# Altium PCB multiplexor checkpoint2.PcbDoc (part 2 of 2)
Units mil, origin at the board's own origin, x right, y up, seen from the top; angles counter-clockwise.
Board outline 12350 x 17300 mil, 4 copper layers (Top Layer, Middle 1, Middle 2, Bottom Layer), stack 61.824 mil thick; 181 components, 213 nets, 910 pads, 182 vias.
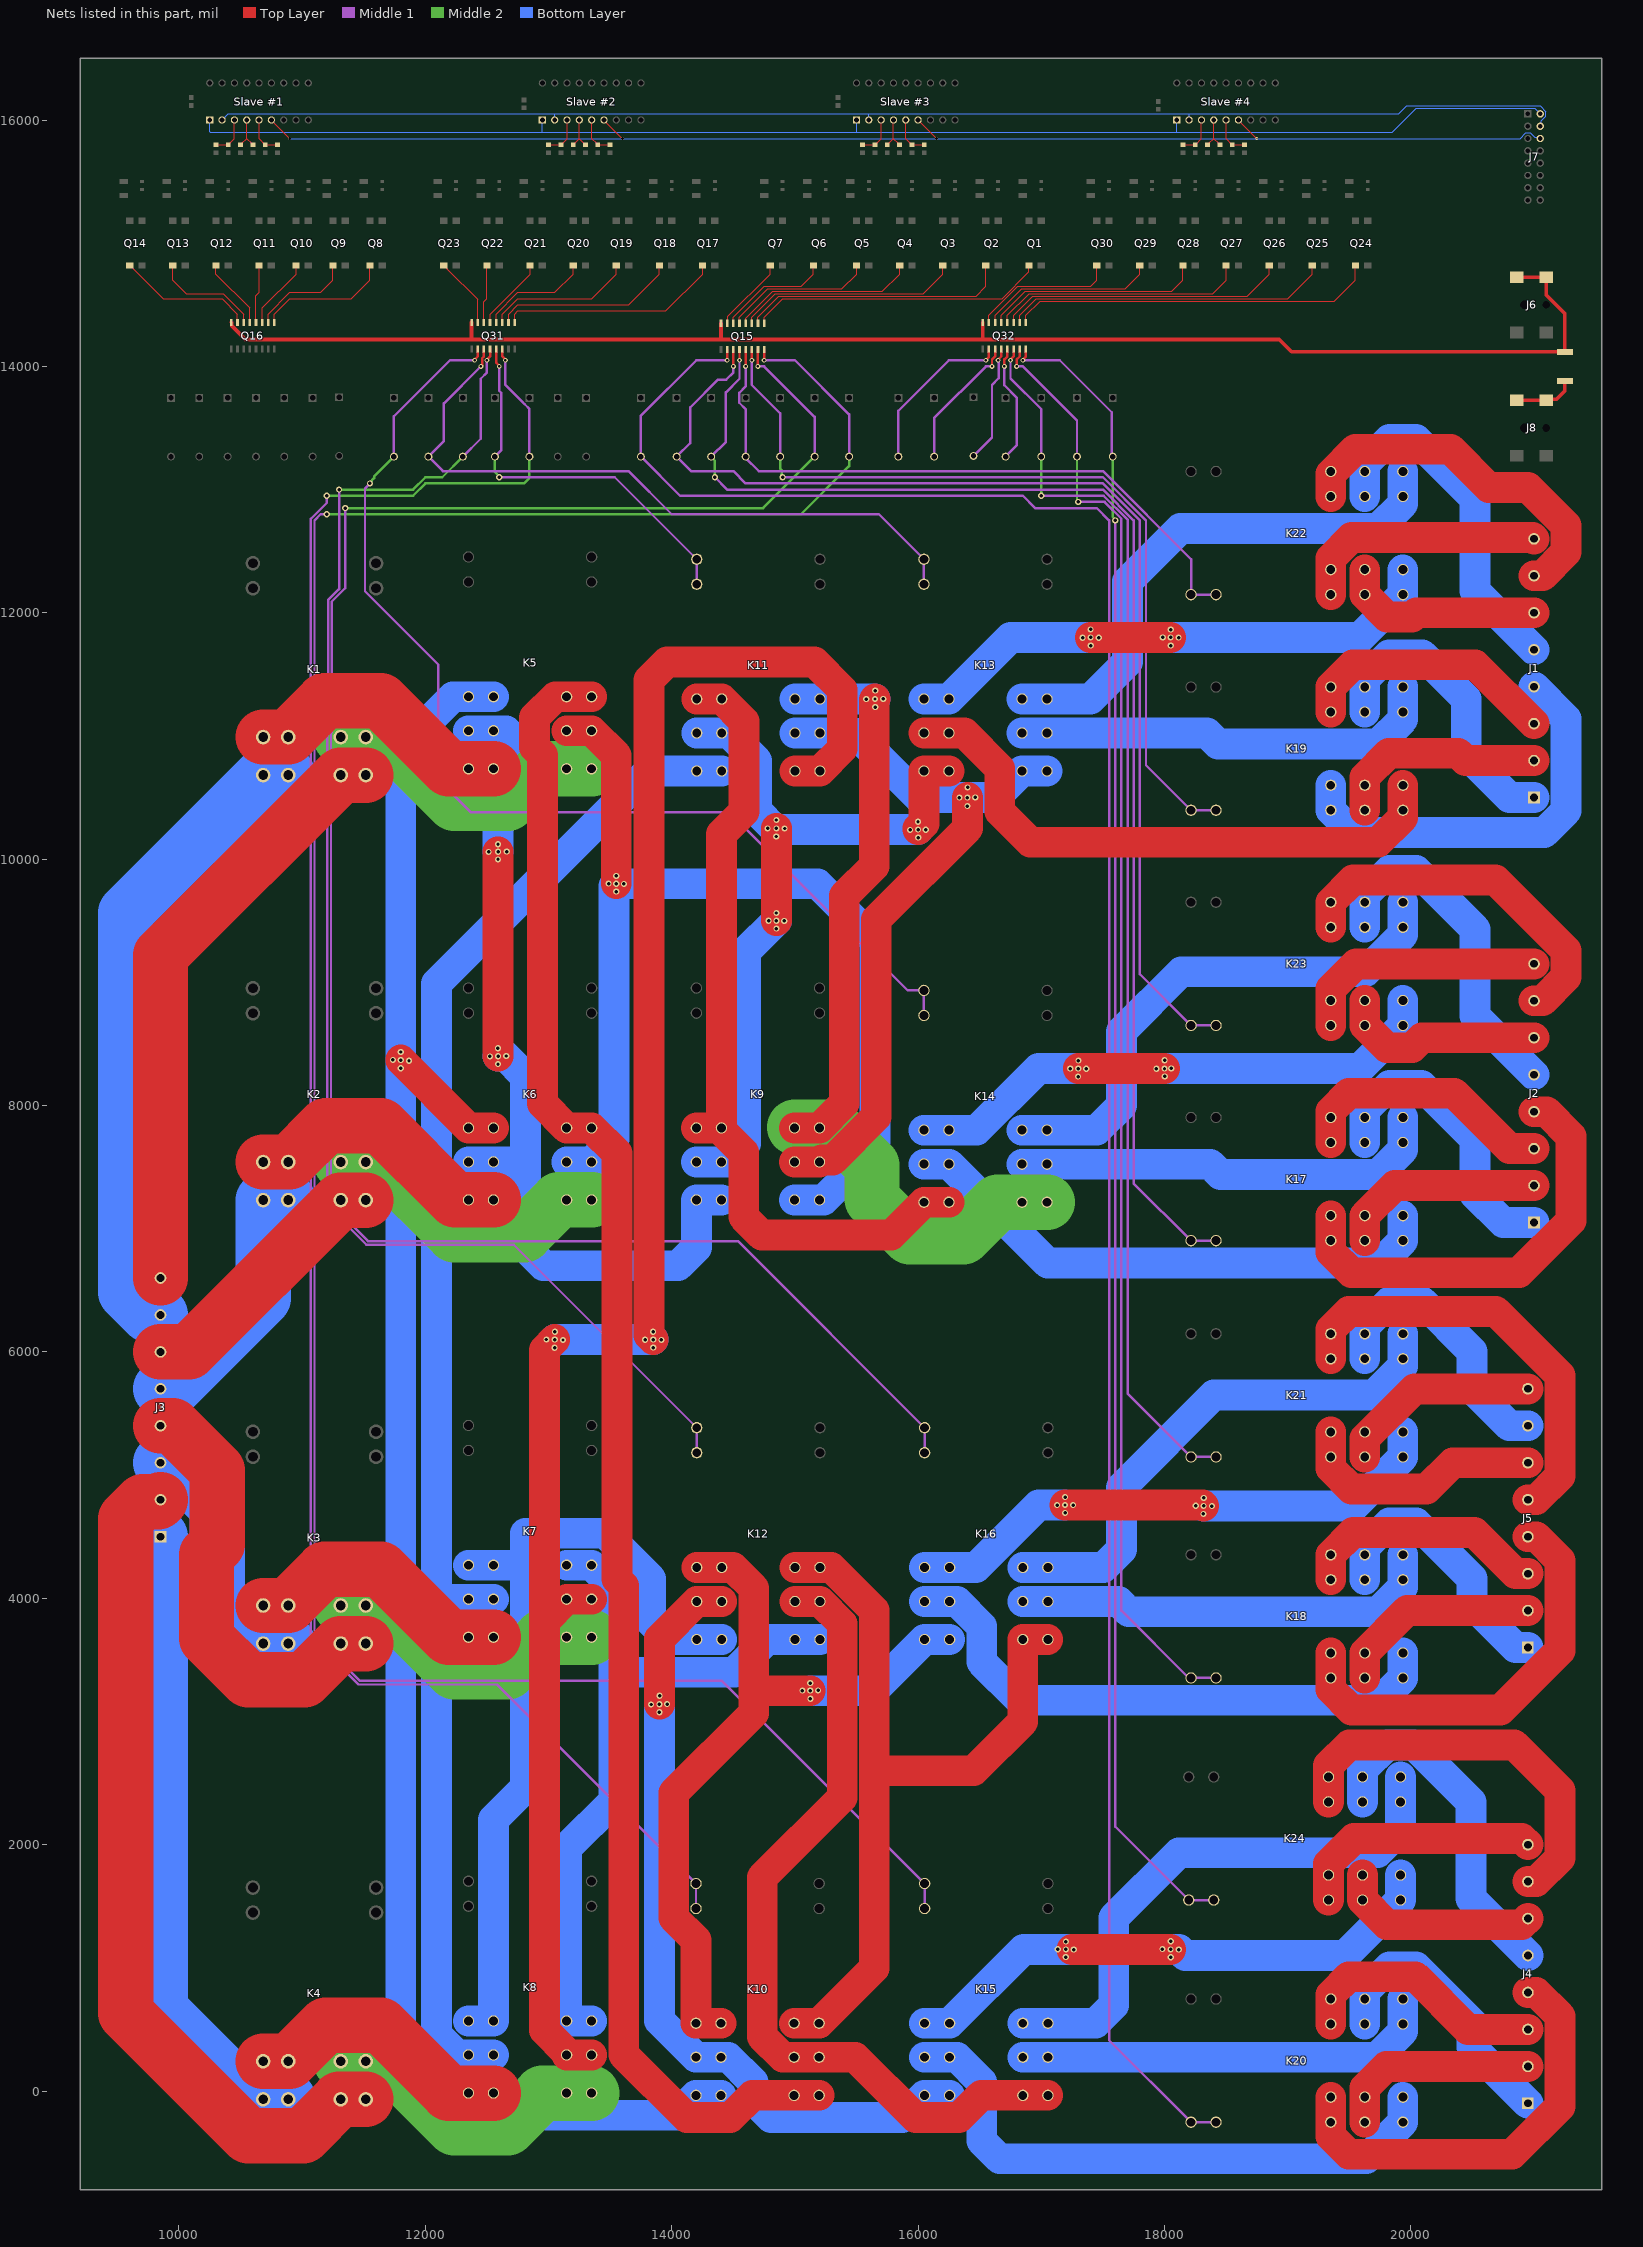
[diagram p4: the nets of this part, all layers, seen from the top]

## Via types
v1: diameter 50, hole 28, Top Layer to Bottom Layer, 122 vias
v2: diameter 22, hole 22, Top Layer to Bottom Layer, 31 vias
v3: diameter 40, hole 20, Top Layer to Bottom Layer, 28 vias
v4: diameter 22, hole 10, Top Layer to Bottom Layer, 1 vias

## Nets (pads, with @x,y where several pads share a name; then routed paths per layer and width w, separated by ;. In a path a pad name is that pad's centre, name@x,y a point inside that pad or via, vN(x,y) a via of type N, cw(c..) or ccw(c..) an arc to the next point about the centre after c; other vN are vias at no path point) (continued)
NetCR10_2: CR10.2 K10.1 K10.2 Q31.14 | length 16321.3
  Top Layer w20: Q31.14@12625,14142.75 12625,14080.41 12650,14055.41 v3(12650,14050)
  Middle 1 w20: v1(11200,12950) 11200,12892.43 11070,12762.43 11070,3687.57 11457.57,3300 12581.5,3300 K10.1@14197,1684.5 K10.2@14197,1481.5 ; v3(12650,14050) 12650,13850 12793,13707 12793,13704.72 12804.72,13693 12807,13693 12845,13655 CR10.2@12845,13268
  Middle 2 w20: v1(11200,12950) 11900,12950 12000,13050 12800,13050 12845,13095 CR10.2@12845,13268
NetCR11_2: CR11.2 K11.1 K11.2 Q31.13 | length 3177.8
  Top Layer w20: Q31.13@12575,14142.75 12575,14030.41 12600,14005.41 v3(12600,14000)
  Middle 1 w20: CR11.2@12565,13268 12617,13320 12617,13785.28 12600,13802.28 v3(12600,14000) ; v1(12600,13100) 13537.5,13100 K11.1@14203,12434.5 K11.2@14203,12231.5
  Middle 2 w20: CR11.2@12565,13268 12565,13142.78 12600,13107.78 v1(12600,13100)
NetCR12_2: CR12.2 K12.1 K12.2 Q31.12 | length 11883
  Top Layer w20: v3(12500,14050) 12500,14055.41 12525,14080.41 Q31.12@12525,14142.75
  Middle 1 w20: v1(11300,13000) 11300,12192.43 11210,12102.43 11210,11042.43 11204.15,11036.58 11204.15,7187.04 11521.19,6870 12717.5,6870 K12.1@14203,5384.5 K12.2@14203,5181.5 ; CR12.2@12305,13268 12450,13413 12450,13900 12500,13950 v3(12500,14050)
  Middle 2 w20: v1(11300,13000) 11900,13000 12000,13100 12137,13100 CR12.2@12305,13268
NetCR13_2: CR13.2 K13.1 K13.2 Q31.11 | length 5631.4
  Top Layer w20: v3(12450,14000) 12450,14000.54 12460,14010.54 12460,14066.57 12475,14081.57 Q31.11@12475,14142.75
  Middle 1 w20: v3(12450,14000) 12150,13700 12150,13393 CR13.2@12025,13268 12143,13150 13650,13150 14000,12800 15681.5,12800 K13.1@16047,12434.5 K13.2@16047,12231.5
NetCR14_2: CR14.2 K14.1 K14.2 Q31.10 | length 9093.9
  Top Layer w20: v3(12400,14050) 12400,14055.41 12425,14080.41 Q31.10@12425,14142.75
  Middle 1 w20: v1(11550,13050) 11510,13010 11510,12174.85 12105,11579.85 12105,10645 12370,10380 14470,10380 15915.5,8934.5 K14.1@16047,8934.5 K14.2@16047,8731.5 ; CR14.2@11745,13268 11745,13595 12200,14050 v3(12400,14050)
  Middle 2 w20: v1(11550,13050) 11550,13058.12 11584.46,13092.58 11584.46,13107.46 CR14.2@11745,13268
NetCR15_2: CR15.2 K15.1 K15.2 Q15.16 | length 20940.9
  Top Layer w20: v3(14750,14050) Q15.16@14750,14135.5
  Middle 1 w20: v1(11200,12800) 11150,12800 11100,12750 11100,3700 11470,3330 14407.5,3330 K15.1@16053,1684.5 K15.2@16053,1481.5 ; v3(14750,14050) 15000,14050 15440,13610 CR15.2@15440,13268
  Middle 2 w20: v1(11200,12800) 15050,12800 15440,13190 CR15.2@15440,13268
NetCR16_2: CR16.2 K16.1 K16.2 Q15.15 | length 16542.6
  Top Layer w20: v3(14700,14000) Q15.15@14700,14135.5
  Middle 1 w20: v1(11350,12850) 11350,12200 11240,12090 11240,11030 11234.15,11024.16 11234.15,7199.46 11533.62,6900 14537.5,6900 K16.1@16053,5384.5 K16.2@16053,5181.5 ; v3(14700,14000) 14750,14000 15160,13590 CR16.2@15160,13268
  Middle 2 w20: v1(11350,12850) 14742,12850 CR16.2@15160,13268
NetCR17_2: CR17.2 K19.1 K19.2 Q15.14 | length 6941.4
  Top Layer w20: v3(14650,14050) Q15.14@14650,14135.5
  Middle 1 w20: v3(14650,14050) 14650,13850 14880,13620 CR17.2@14880,13268 ; v1(14900,13100) 17500,13100 17850,12750 17850,10762.5 K19.1@18215.5,10397 K19.2@18418.5,10397
  Middle 2 w20: CR17.2@14880,13268 14880,13170 14895,13155 14895,13105 v1(14900,13100)
NetCR18_2: CR18.2 K22.1 K22.2 Q15.13 | length 5368.8
  Top Layer w20: v3(14600,14000) Q15.13@14600,14135.5
  Middle 1 w20: v3(14600,14000) 14600,13837.28 14548,13785.28 14548,13704.72 14600,13652.72 14600,13256.09 14706.09,13150 17500,13150 18215.5,12434.5 K22.1@18215.5,12147 K22.2@18418.5,12147
NetCR19_2: CR19.2 K17.1 K17.2 Q15.12 | length 10931
  Top Layer w20: v3(14550,14050) Q15.12@14550,14135.5
  Middle 1 w20: CR19.2@14320,13268 14439.02,13387.02 14439.02,13789.02 14550,13900 v3(14550,14050) ; v1(14350,13100) 14450,13000 17500,13000 17750,12750 17750,7368.5 K17.1@18215.5,6903 K17.2@18418.5,6903
  Middle 2 w20: CR19.2@14320,13268 14320,13264.28 14350,13234.28 v1(14350,13100)
NetCR20_2: CR20.2 K23.1 K23.2 Q15.11 | length 9547.1
  Top Layer w20: v3(14500,14000) Q15.11@14500,14135.5
  Middle 1 w20: v3(14500,14000) 14500,13950 14442.45,13892.45 14375.17,13892.45 14150,13667.28 14150,13378 CR20.2@14040,13268 14158,13150 14500,13150 14600,13050 17500,13050 17800,12750 17800,9065.5 K23.1@18215.5,8650 K23.2@18418.5,8650
NetCR21_2: CR21.2 K20.1 K20.2 Q15.10 | length 18800.1
  Top Layer w20: v3(14450,14050) Q15.10@14450,14135.5
  Middle 1 w20: v3(14450,14050) 14200,14050 13750,13600 CR21.2@13750,13268 14068,12950 16850,12950 16950,12850 17450,12850 17550,12750 17550,412.5 K20.1@18215.5,-253 K20.2@18418.5,-253
NetCR22_2: CR22.2 K24.1 K24.2 Q32.16 | length 13539.8
  Top Layer w20: v3(16850,14050) 16850,14055.41 16875,14080.41 Q32.16@16875,14142.75
  Middle 1 w20: v3(16850,14050) 17150,14050 17572.25,13627.75 17572.25,13275.75 CR22.2@17580,13268 ; v1(17600,12750) 17600,2147 K24.1@18197,1550 K24.2@18400,1550
  Middle 2 w20: CR22.2@17580,13268 17580,12778.12 17600,12758.12 v1(17600,12750)
NetCR23_2: CR23.2 K18.1 K18.2 Q32.15 | length 11754.7
  Top Layer w20: v3(16800,14000) 16800,14056.57 16825,14081.57 Q32.15@16825,14142.75
  Middle 1 w20: v3(16800,14000) 16850,14000 17290,13560 CR23.2@17290,13268 ; v1(17300,12900) 17513.64,12900 17650,12763.64 17650,3900 18197,3353 K18.1@18215.5,3353 K18.2@18418.5,3353
  Middle 2 w20: CR23.2@17290,13268 17290,12918.12 17300,12908.12 v1(17300,12900)
NetCR24_2: CR24.2 K21.1 K21.2 Q32.14 | length 10112.6
  Top Layer w20: v3(16750,14050) 16750,14055.41 16775,14080.41 Q32.14@16775,14142.75
  Middle 1 w20: v3(16750,14050) 16750,13902.72 17000,13652.72 CR24.2@17000,13268 ; v1(17000,12950) 17506.07,12950 17700,12756.07 17700,5662.5 K21.1@18215.5,5147 K21.2@18418.5,5147
  Middle 2 w20: v1(17000,12950) CR24.2@17000,13268
NetCR25_2: CR25.2 Q32.13 | length 963.8
  Top Layer w20: v3(16700,14000) 16700,14056.57 16725,14081.57 Q32.13@16725,14142.75
  Middle 1 w20: v3(16700,14000) 16700,13847.28 16800,13747.28 16800,13358 CR25.2@16710,13268
NetCR26_2: CR26.2 Q32.12 | length 966.1
  Top Layer w20: v3(16650,14050) 16650,14055.41 16675,14080.41 Q32.12@16675,14142.75
  Middle 1 w20: CR26.2@16450,13273 16600,13423 16600,13850 16653.83,13903.83 16653.83,14046.17 v3(16650,14050)
NetCR27_2: CR27.2 Q32.11 | length 1109.1
  Top Layer w20: v3(16600,14000) 16600,14056.57 16625,14081.57 Q32.11@16625,14142.75
  Middle 1 w20: CR27.2@16130,13268 16130,13580 16550,14000 v3(16600,14000)
NetCR28_2: CR28.2 Q32.10 | length 1354.9
  Top Layer w20: v3(16550,14050) 16550,14052.21 16575,14077.21 Q32.10@16575,14142.75
  Middle 1 w20: CR28.2@15840,13268 15840,13640 16250,14050 v3(16550,14050)
NetJ1_1: J1.1 K19.11 K19.12 | length 2465.4
  Bottom Layer w250: K19.12@19626,11194 19626,11461.55 19821.45,11657 20093,11657 20450,11300 20450,10850 20800,10500 J1.1@21000,10500
NetJ1_2: J1.2 K19.5 K19.6 | length 1747.4
  Top Layer w250: K19.5@19626,10397 19626,10664.55 19821.45,10860 20383.65,10860 20443.65,10800 J1.2@21000,10800
NetJ1_3: J1.3 K19.13 K19.14 | length 2126
  Top Layer w250: K19.14@19350,11194 K19.13@19350,11397 19531,11578 20522,11578 J1.3@21000,11100
NetJ1_4: J1.4 K19.3 K19.4 | length 3376.4
  Bottom Layer w250: K19.4@19350,10600 K19.3@19350,10397 19531,10216 21083.7,10216 21260,10392.3 21260,11140 J1.4@21000,11400
NetJ1_5: J1.5 K22.11 K22.12 | length 2865.3
  Bottom Layer w250: K22.12@19626,12944 K22.11@19626,13147 19626,13205.7 19827.3,13407 20042.7,13407 20521.35,12928.35 20521.35,12178.65 J1.5@21000,11700
NetJ1_6: J1.6 K22.5 K22.6 | length 1666.1
  Top Layer w250: K22.6@19626,12350 K22.5@19626,12147 19807,11966 20009.97,11966 20043.97,12000 J1.6@21000,12000
NetJ1_7: J1.7 K22.13 K22.14 | length 2988.2
  Top Layer w250: K22.14@19350,12944 19350,13126.97 19551.03,13328 20322,13328 20632.15,13017.85 20949.85,13017.85 21260,12707.7 21260,12492.3 21067.7,12300 J1.7@21000,12300
NetJ1_8: J1.8 K22.3 K22.4 | length 2018.6
  Top Layer w250: K22.3@19350,12147 19350,12441.7 19518.3,12610 20990,12610 J1.8@21000,12600
NetJ2_1: J2.1 K17.11 K17.12 | length 2443.7
  Bottom Layer w250: K17.12@19626,7700 19626,7961.7 19827.3,8163 20087,8163 20521.35,7728.65 20521.35,7278.65 20750,7050 J2.1@21000,7050
NetJ2_2: J2.2 K17.5 K17.6 | length 1678.1
  Top Layer w250: K17.5@19626,6903 K17.6@19626,7106 19870,7350 J2.2@21000,7350
NetJ2_3: J2.3 K17.13 K17.14 | length 2150.6
  Top Layer w250: K17.14@19350,7700 19350,7953.55 19496.45,8100 20350,8100 20800,7650 J2.3@21000,7650
NetJ2_4: J2.4 K17.3 K17.4 | length 3557.3
  Top Layer w250: K17.4@19350,7106 19350,6811.3 19518.3,6643 20878.41,6643 21300,7064.59 21300,7750 21100,7950 J2.4@21000,7950
NetJ2_5: J2.5 K23.11 K23.12 | length 2818.3
  Bottom Layer w250: K23.12@19626,9447 K23.11@19626,9650 19626,9708.7 19827.3,9910 20042.7,9910 20521.35,9431.35 20521.35,8728.65 J2.5@21000,8250
NetJ2_6: J2.6 K23.5 K23.6 | length 1685.5
  Top Layer w250: K23.6@19626,8853 K23.5@19626,8650 19807,8469 20009.97,8469 20090.97,8550 J2.6@21000,8550
NetJ2_7: J2.7 K23.13 K23.14 | length 2980.5
  Top Layer w250: K23.14@19350,9447 K23.13@19350,9650 19531,9831 20686.7,9831 21260,9257.7 21260,9042.3 21067.7,8850 J2.7@21000,8850
NetJ2_8: J2.8 K23.3 K23.4 | length 2029.7
  Top Layer w250: K23.3@19350,8650 19350,8944.7 19555.3,9150 J2.8@21000,9150
NetJ3_1: J3.1 K4.6_1 K4.6_2 | length 5178.8
  Bottom Layer w450: J3.1@9850,4500 9850,658.7 10576.41,-67.72 K4.6_1@10683.46,-67.72 K4.6_2@10886.61,-67.72
NetJ3_2: J3.2 K4.2_1 K4.2_2 | length 6841.6
  Top Layer w450: J3.2@9850,4800 9832.24,4782.24 9705.42,4782.24 9567.76,4644.58 9567.76,631.88 10561.59,-361.95 11008.49,-361.95 11302.72,-67.72 K4.2_1@11313.39,-67.72 K4.2_2@11516.54,-67.72
NetJ3_3: J3.3 K3.6_1 K3.6_2 | length 2136.9
  Bottom Layer w450: J3.3@9850,5100 9949.15,5100 10310,4739.15 10310,3898.7 10576.41,3632.28 K3.6_2@10886.61,3632.28
NetJ3_4: J3.4 K3.2_1 K3.2_2 | length 3563.3
  Top Layer w450: J3.4@9850,5400 9949.15,5400 10310,5039.15 10310,4438.24 10223.46,4351.71 10223.46,3676.18 10561.59,3338.05 11019.15,3338.05 K3.2_1@11313.39,3632.28 K3.2_2@11516.54,3632.28
NetJ3_5: J3.5 K2.6_1 K2.6_2 | length 2138.7
  Bottom Layer w450: J3.5@9850,5700 9949.15,5700 10683.46,6434.31 K2.6_1@10683.46,7232.28 K2.6_2@10886.61,7232.28
NetJ3_6: J3.6 K2.2_1 K2.2_2 | length 2177
  Top Layer w450: J3.6@9850,6000 10081.1,6000 K2.2_1@11313.39,7232.28 K2.2_2@11516.54,7232.28
NetJ3_7: J3.7 K1.6_1 K1.6_2 | length 5222.6
  Bottom Layer w450: J3.7@9850,6300 9750.85,6300 9567.76,6483.09 9567.76,9566.57 K1.6_1@10683.46,10682.28 K1.6_2@10886.61,10682.28
NetJ3_8: J3.8 K1.2_1 K1.2_2 | length 4891.6
  Top Layer w450: J3.8@9850,6600 9850,9218.9 K1.2_1@11313.39,10682.28 K1.2_2@11516.54,10682.28
NetJ4_1: J4.1 K20.11 K20.12 | length 2244.6
  Bottom Layer w250: K20.12@19626,544 19626,805.7 19827.3,1007 20042.7,1007 20496.35,553.35 20496.35,353.65 J4.1@20950,-100
NetJ4_2: J4.2 K20.5 K20.6 | length 1675.1
  Top Layer w250: K20.5@19626,-253 19626,26 19800,200 J4.2@20950,200
NetJ4_3: J4.3 K20.13 K20.14 | length 2075.5
  Top Layer w250: K20.14@19350,544 19350,781.55 19496.45,928 20036.51,928 20464.51,500 J4.3@20950,500
NetJ4_4: J4.4 K20.3 K20.4 | length 3470.5
  Top Layer w250: K20.4@19350,-50 19350,-366.55 19496.45,-513 20822.41,-513 21210,-125.41 21210,607.7 21017.7,800 J4.4@20950,800
NetJ4_5: J4.5 K24.11 K24.12 | length 2855.3
  Bottom Layer w250: K24.12@19607.5,2347 19607.5,2608.7 19808.8,2810 20024.2,2810 20487.1,2347.1 20487.1,1562.9 J4.5@20950,1100
NetJ4_6: J4.6 K24.5 K24.6 | length 1649.1
  Top Layer w250: K24.6@19607.5,1753 K24.5@19607.5,1550 19807.5,1350 20900,1350 J4.6@20950,1400
NetJ4_7: J4.7 K24.13 K24.14 | length 3283.5
  Top Layer w250: K24.14@19331.5,2347 19331.5,2458.51 K24.13@19331.5,2550 19331.5,2641.7 19499.8,2810 20840,2810 21210,2440 21210,1892.3 21017.7,1700 J4.7@20950,1700
NetJ4_8: J4.8 K24.3 K24.4 | length 2018.9
  Top Layer w250: K24.3@19331.5,1550 19331.5,1844.7 19536.8,2050 20900,2050 J4.8@20950,2000
NetJ5_1: J5.1 K18.11 K18.12 | length 2209.2
  Bottom Layer w250: K18.12@19626,4150 19626,4411.7 19827.3,4613 20042.7,4613 20496.35,4159.35 20496.35,3953.65 20850,3600 J5.1@20950,3600
NetJ5_2: J5.2 K18.5 K18.6 | length 1669.5
  Top Layer w250: K18.5@19626,3353 K18.6@19626,3556 19970,3900 J5.2@20950,3900
NetJ5_3: J5.3 K18.13 K18.14 | length 2016.3
  Top Layer w250: K18.14@19350,4150 K18.13@19350,4353 19531,4534 20516,4534 20850,4200 J5.3@20950,4200
NetJ5_4: J5.4 K18.3 K18.4 | length 3496.6
  Top Layer w250: K18.4@19350,3556 K18.3@19350,3353 19350,3261.3 19518.3,3093 20728.41,3093 21210,3574.59 21210,4307.7 21017.7,4500 J5.4@20950,4500
NetJ5_5: J5.5 K21.13 K21.14 | length 3528.8
  Top Layer w250: K21.14@19350,5944 19350,6181.55 19496.45,6328 20689.7,6328 21210,5807.7 21210,4992.3 21017.7,4800 J5.5@20950,4800
NetJ5_6: J5.6 K21.3 K21.4 | length 2052.6
  Top Layer w250: K21.4@19350,5350 K21.3@19350,5147 19350,5055.3 19518.3,4887 20127.65,4887 20340.65,5100 J5.6@20950,5100
NetJ5_7: J5.7 K21.11 K21.12 | length 2261.9
  Bottom Layer w250: K21.12@19626,5944 19626,6205.7 19827.3,6407 20093,6407 20496.35,6003.65 20496.35,5703.65 20800,5400 J5.7@20950,5400
NetJ5_8: J5.8 K21.5 K21.6 | length 1640.9
  Top Layer w250: K21.5@19626,5147 19626,5296.97 20029.03,5700 J5.8@20950,5700
NetJ8_2: J8.2 J8.3 R16.2 | length 503.5
  Top Layer w30: J8.3@20859.84,13724.41 J8.2@21100,13724.41 21108.14,13732.54 21182.54,13732.54 21250,13800 R16.2@21250,13882
NetK1_4_1: K1.4_1 K1.4_2 K5.9 K5.10 | length 2376.2
  Middle 2 w450: K1.4_1@11313.39,10991.34 11694.77,10991.34 12233.61,10452.5 12669.39,10452.5 12950.39,10733.5 K5.9@13350,10733.5
NetK1_8_1: K1.8_1 K1.8_2 K5.7 K5.8 | length 2220.1
  Top Layer w450: K1.8_1@10683.46,10991.34 K1.8_2@10886.61,10991.34 11180.85,11285.57 11638.41,11285.57 12190.48,10733.5 K5.7@12350,10733.5 K5.8@12553,10733.5
NetK2_4_1: K2.4_1 K2.4_2 K6.9 K6.10 | length 2396.9
  Middle 2 w450: K2.4_1@11313.39,7541.34 K2.4_2@11516.54,7541.34 11531.36,7526.52 11659.59,7526.52 12233.61,6952.5 12802.5,6952.5 13083.5,7233.5 K6.9@13350,7233.5
NetK2_8_1: K2.8_1 K2.8_2 K6.7 K6.8 | length 2240.8
  Top Layer w450: K2.8_1@10683.46,7541.34 K2.8_2@10886.61,7541.34 10897.28,7541.34 11191.51,7835.57 11638.41,7835.57 12240.48,7233.5 K6.7@12350,7233.5 K6.8@12553,7233.5
NetK3_4_1: K3.4_1 K3.4_2 K7.9 K7.10 | length 2376.2
  Middle 2 w450: K3.4_1@11313.39,3941.34 K3.4_2@11516.54,3941.34 11531.36,3926.52 11709.59,3926.52 12233.61,3402.5 12669.39,3402.5 12950.39,3683.5 K7.10@13147,3683.5 K7.9@13350,3683.5
NetK3_8_1: K3.8_1 K3.8_2 K7.7 K7.8 | length 2220.1
  Top Layer w450: K3.8_1@10683.46,3941.34 K3.8_2@10886.61,3941.34 11180.85,4235.57 11638.41,4235.57 12190.48,3683.5 K7.7@12350,3683.5 K7.8@12553,3683.5
NetK4_4_1: K4.4_1 K4.4_2 K8.9 K8.10 | length 2376.2
  Middle 2 w450: K4.4_1@11313.39,241.34 K4.4_2@11516.54,241.34 11531.36,226.52 11709.59,226.52 12233.61,-297.5 12669.39,-297.5 12950.39,-16.5 K8.10@13147,-16.5 K8.9@13350,-16.5
NetK4_8_1: K4.8_1 K4.8_2 K8.7 K8.8 | length 2220.1
  Top Layer w450: K4.8_1@10683.46,241.34 K4.8_2@10886.61,241.34 10897.28,241.34 11191.51,535.57 11638.41,535.57 12190.48,-16.5 K8.7@12350,-16.5 K8.8@12553,-16.5
NetK5_3: K5.3 K5.4 K6.3 K6.4 K10.7 K10.8 | length 15390.6
  Top Layer w250: v1(11800,8368.5) K6.3@12350,7818.5 K6.4@12553,7818.5
  Bottom Layer w250: K5.4@12553,11318.5 12223.75,11318.5 11800,10894.75 11800,277.53 12275.03,-197.5 14034.5,-197.5 K10.7@14197,-35 K10.8@14400,-35
  other v1: 11800.54,8302.71 11867.28,8364.08 11736.11,8370.22 11799.78,8434.65
NetK5_5: K5.5 K5.6 K6.5 K6.6 K9.7 K9.8 | length 7359.1
  Top Layer w250: v1(12590,8400) v1(12590,10060)
  Bottom Layer w250: K6.5@12350,7542.5 K6.6@12553,7542.5 12757.5,7542.5 12813,7487 ; K5.5@12350,11042.5 12653.55,11042.5 12800,10896.05 12800,10612.78 12590,10402.78 v1(12590,10060) ; v1(12590,8400) 12650,8400 12813,8237 12813,7487 ; K9.8@14403,7233.5 K9.7@14200,7233.5 14200,6846.45 14053.55,6700 12959.45,6700 12813,6846.45 12813,7487
  other v1: 12589.68,8336.02 12524.42,8398.2 12656.79,8401.89 12589.06,8465.31 12589.62,9998.14 12513.18,10058.96 12660.31,10061.43 12589.62,10120.61
NetK5_11: K5.11 K5.12 K6.11 K6.12 K9.9 K9.10 | length 8874.6
  Top Layer w250: K5.12@13147,11042.5 K5.11@13350,11042.5 13550,10842.5 v1(13550,9800)
  Bottom Layer w250: K6.12@13147,7542.5 K6.11@13350,7542.5 13531,7723.5 13531,9781 v1(13550,9800) 15184.55,9800 15650,9334.55 15650,7650 15233.5,7233.5 K9.9@15200,7233.5 K9.10@14997,7233.5
  other v1: 13549.1,9737.12 13611.57,9798.73 13487.48,9801.27 13549.95,9863.73
NetK5_13: K5.13 K5.14 K6.13 K6.14 K10.9 K10.10 | length 13679.3
  Top Layer w250: K5.13@13350,11318.5 13055.3,11318.5 12887,11150.2 12887,10908.62 12950,10845.62 12950,8015.5 K6.14@13147,7818.5 K6.13@13350,7818.5 13554.87,7613.63 13554.87,4155.33 13610,4100.2 13610,296.03 14122.03,-216 14474.97,-216 14655.97,-35 K10.10@14994,-35 K10.9@15197,-35
NetK7_3: K7.3 K7.4 K8.3 K8.4 K12.7 K12.8 | length 6893.8
  Bottom Layer w250: K8.3@12350,568.5 K8.4@12553,568.5 12553,2204.35 12813,2464.35 12813,4250 ; K7.3@12350,4268.5 K7.4@12553,4268.5 12794.5,4268.5 12813,4250 ; K12.8@14406,3665 13976.79,3665 13830.35,3811.45 13830.35,4155.85 13457.7,4528.5 12813,4528.5 12813,4250
NetK7_5: K7.5 K7.6 K8.5 K8.6 K11.7 K11.8 | length 12487.9
  Bottom Layer w250: 12157.5,3992.5 K7.5@12350,3992.5 K7.6@12553,3992.5 ; K8.6@12553,292.5 K8.5@12350,292.5 12258.3,292.5 12090,460.8 12090,3992.5 12090,8990 13815,10715 K11.8@14406,10715
NetK7_11: K7.11 K7.12 K8.11 K8.12 K11.9 K11.10 | length 15408.3
  Top Layer w250: v1(13050,6100) 12966,6016 12966,3811.5 ; K8.11@13350,292.5 K8.12@13147,292.5 13147,312.53 12966,493.53 12966,3811.5 ; K7.11@13350,3992.5 K7.12@13147,3992.5 12966,3811.5 ; v1(13850,6100) 13814.87,6135.13 13814.87,11453.55 13961.32,11600 15158.97,11600 15384,11374.97 15384,10896 K11.9@15203,10715 K11.10@15000,10715
  Bottom Layer w250: v1(13050,6100) v1(13850,6100)
  other v1: 13049.29,6034.14 13850.17,6034.51 13117.57,6096.5 13916.27,6097 13783.48,6098.2 12982.1,6100.8 13848.37,6163.1 13051.98,6163.7
NetK7_13: K7.13 K7.14 K8.13 K8.14 K12.9 K12.10 | length 6121.8
  Bottom Layer w250: K7.14@13147,4268.5 K7.13@13350,4268.5 13531,4087.5 13531,3400 ; K8.13@13350,568.5 K8.14@13147,568.5 13147,1971.49 13531,2355.49 13531,3400 ; K12.9@15203,3665 K12.10@15000,3665 14773.7,3665 14508.7,3400 13531,3400
NetK9_3: K9.3 K9.4 K11.3 K11.4 K14.7 K14.8 | length 6672.1
  Top Layer w250: K9.3@14200,7818.5 K9.4@14403,7818.5 ; K11.3@14203,11300 K11.4@14406,11300 14587,11119 14587,10387 14403,10203 K9.4@14403,7818.5 ; K14.8@16250,7215 K14.7@16047,7215 15782,6950 14730.45,6950 14584,7096.45 14584,7467.53 14584,7617.47 14403,7798.47 K9.4@14403,7818.5
NetK9_5: K9.5 K9.6 K11.5 K11.6 K13.7 K13.8 | length 6193.6
  Top Layer w250: v1(14850,9500) v1(14850,10250) ; v1@16000,10250 15999.76,10249.76 v1(15999.76,10240.08) 16047,10287.31 K13.7@16047,10715 K13.8@16250,10715
  Bottom Layer w250: K9.5@14200,7542.5 14453.55,7542.5 14600,7688.95 14600,9250 v1(14850,9500) ; K11.5@14203,11024 14464.7,11024 14690.79,10797.9 14690.79,10389.36 14840.08,10240.08 v1(15999.76,10240.08)
  other v1: 14850.12,9436.72 14912.97,9498.5 14786.21,9500.09 14849.59,9562.94 16000.83,10175 14848.81,10183.68 15935.39,10237.37 16062.6,10239.21 14916.52,10248.96 14778.28,10250.01 15999,10303.42 14849.96,10317.69
NetK9_11: K9.11 K9.12 K11.11 K11.12 K13.9 K13.10 | length 6064.4
  Top Layer w250: K9.12@14997,7542.5 K9.11@15200,7542.5 15216,7558.5 15307.7,7558.5 15660,7910.8 15660,9510 16400,10250 v1(16400,10500)
  Bottom Layer w250: K11.12@15000,11024 15482.03,11024 16006.03,10500 16629,10500 K13.10@16844,10715 K13.9@17047,10715
  other v1: 16399.81,10431.13 16335.43,10499.85 16464.19,10500.72 16401.55,10582.5
NetK9_13: K9.13 K9.14 K11.13 K11.14 K14.9 K14.10 | length 7217
  Top Layer w250: K9.14@14997,7818.5 K9.13@15200,7818.5 15400,8018.5 15400,9700 15644,9944 15644,11294 v1(15650,11300)
  Middle 2 w450: K9.14@14997,7823.5 15316.39,7823.5 15626,7513.89 15626,7238.61 15930.61,6934 16366.39,6934 16647.39,7215 K14.10@16844,7215 K14.9@17047,7215
  Bottom Layer w250: K11.14@15000,11300 K11.13@15203,11300 v1(15650,11300)
  other v1: 15651.74,11233.97 15578.91,11299.27 15717.03,11300.52 15651.74,11368.33
NetK10_3: K10.3 K10.4 K12.3 K12.4 K16.7 K16.8 | length 6373.5
  Top Layer w250: K12.3@14203,4250 K12.4@14406,4250 14497.7,4250 14666,4081.7 14666,3250 ; K10.4@14400,550 K10.3@14197,550 14197,1225.53 14016,1406.53 14016,2419.11 14666,3069.11 14666,3250 ; v1(15124,3250) 14666,3250
  Bottom Layer w250: v1(15124,3250) 15638,3250 K16.7@16053,3665 K16.8@16256,3665
  other v1: 15125.19,3184.32 15061.1,3250.05 15188.45,3252.52 15124.36,3311.68
NetK10_5: K10.5 K10.6 K12.5 K12.6 K15.7 K15.8 | length 6571.8
  Top Layer w250: v1(13900,3140) 13900,3671 K12.5@14203,3974 K12.6@14406,3974
  Bottom Layer w250: v1(13900,3140) 13900,571 K10.5@14197,274 K10.6@14400,274 14458.7,274 14660,72.7 14660,-69.55 14806.45,-216 15872,-216 K15.7@16053,-35 K15.8@16256,-35
  other v1: 13900.2,3074.69 13833.1,3137.72 13962.22,3140.77 13901.22,3208.89
NetK10_11: K10.11 K10.12 K12.11 K12.12 K15.9 K15.10 | length 6745.6
  Top Layer w250: K12.12@15000,3974 K12.11@15203,3974 15384,3793 15384,2382.99 14734,1732.99 14734,442.3 14902.3,274 K10.11@15197,274 15488.03,274 15978.03,-216 16330.97,-216 16511.97,-35 K15.10@16850,-35 K15.9@17053,-35
NetK10_13: K10.13 K10.14 K12.13 K12.14 K16.9 K16.10 | length 6767.2
  Top Layer w250: K10.14@14994,550 K10.13@15197,550 15644,997 15644,2600 ; K12.14@15000,4250 K12.13@15203,4250 15294.7,4250 15644,3900.7 15644,2600 ; K16.9@17053,3665 K16.10@16850,3665 16850,3000 16450,2600 15644,2600
NetK13_3: K13.3 K13.4 K22.7 K22.8 | length 4441.8
  Top Layer w250: v1(17400,11800) v1(18050,11800)
  Bottom Layer w250: K13.3@16047,11300 K13.4@16250,11300 16750,11800 v1(17400,11800) ; v1(18050,11800) 19588,11800 K22.7@19935,12147 K22.8@19935,12350
  other v1: 17400.97,11733.2 18050.31,11733.68 17335.55,11796.97 17466.4,11797.8 18115.04,11799.04 17985.57,11799.67 18050.94,11863.15 17400.14,11864.88
NetK13_5: K13.5 K13.6 K19.7 K19.8 | length 4805.5
  Top Layer w250: K13.5@16047,11024 16376,11024 16663,10737 16663,10387 16913,10137 19733.7,10137 19935,10338.3 K19.8@19935,10600
NetK13_11: K13.11 K13.12 K19.9 K19.10 | length 3473.4
  Bottom Layer w250: K13.12@16844,11024 18345.35,11024 18435.35,10934 19733.7,10934 19935,11135.3 K19.9@19935,11397
NetK13_13: K13.13 K13.14 K22.9 K22.10 | length 4393.1
  Bottom Layer w250: K13.14@16844,11300 K13.13@17047,11300 17400,11300 17700,11600 17700,12255.17 18128.83,12684 19733.7,12684 19935,12885.3 K22.9@19935,13147
NetK14_3: K14.3 K14.4 K23.7 K23.8 | length 4443.1
  Top Layer w250: v1(17300,8300) v1(18000,8300)
  Bottom Layer w250: K14.3@16047,7800 K14.4@16250,7800 16476.3,7800 16976.3,8300 v1(17300,8300) ; v1(18000,8300) 19585,8300 K23.7@19935,8650 K23.8@19935,8853
  other v1: 17298.89,8234.36 18001.66,8236.21 17365.36,8298.88 17934.74,8298.88 17234.95,8300.11 18054.78,8301.01 17301.31,8364.66 18000.6,8366.87
NetK14_5: K14.5 K14.6 K17.7 K17.8 | length 4498.2
  Bottom Layer w250: K14.5@16047,7524 K14.6@16250,7524 17052,6722 19754,6722 K17.7@19935,6903 K17.8@19935,7106
NetK14_11: K14.11 K14.12 K17.9 K17.10 | length 3470.9
  Bottom Layer w250: K14.12@16844,7524 K14.11@17047,7524 18371.49,7524 18455.49,7440 19733.7,7440 19935,7641.3 K17.9@19935,7903
NetK14_13: K14.13 K14.14 K23.9 K23.10 | length 4362.1
  Bottom Layer w250: K14.14@16844,7800 K14.13@17047,7800 17450,7800 17650,8000 17650,8600 18135.99,9085.99 19632.68,9085.99 19935,9388.3 K23.9@19935,9650
NetK15_3: K15.3 K15.4 K24.7 K24.8 | length 4522.1
  Top Layer w250: v1@17250,1150 v1(18050,1150)
  Bottom Layer w250: K15.3@16053,550 K15.4@16256,550 16856,1150 v1@17250,1150 ; v1(18050,1150) 18118.29,1150 18168.29,1100 19466.5,1100 K24.7@19916.5,1550 K24.8@19916.5,1753
  other v1: 18050.97,1085.35 17198.52,1087.71 17262.85,1148.44 18115.37,1148.49 17200,1150 17134.18,1150.73 17982.78,1151.65 17199.83,1213.1 18050.97,1215.42
NetK15_5: K15.5 K15.6 K20.7 K20.8 | length 4828.3
  Bottom Layer w250: K15.5@16053,274 16314.7,274 16516,72.7 16516,-403.55 16662.45,-550 19638,-550 K20.7@19935,-253 K20.8@19935,-50
NetK15_11: K15.11 K15.12 K20.9 K20.10 | length 3434.2
  Bottom Layer w250: K15.12@16850,274 K15.11@17053,274 19723.7,274 19935,485.3 K20.9@19935,747
NetK15_13: K15.13 K15.14 K24.9 K24.10 | length 4560.6
  Bottom Layer w250: K15.14@16850,550 K15.13@17053,550 17441.07,550 17587.51,696.45 17587.51,1403.55 18117.96,1934 19729.8,1934 19916.5,2120.7 K24.10@19916.5,2347 K24.9@19916.5,2550
NetK16_3: K16.3 K16.4 K21.7 K21.8 | length 4462.6
  Top Layer w250: v1(17192.65,4757.35) 18310.35,4757.35 v1(18317.7,4750)
  Bottom Layer w250: K16.3@16053,4250 K16.4@16256,4250 16470.65,4250 16978,4757.35 v1(17192.65,4757.35) ; v1(18317.7,4750) 19538,4750 K21.7@19935,5147 K21.8@19935,5350
  other v1: 18315.43,4685.15 17193.31,4692.63 18385.42,4748.22 18253.9,4750.53 17128.14,4756.51 17258.48,4756.51 18319.28,4814.37 17193.31,4821.03
NetK16_5: K16.5 K16.6 K18.7 K18.8 | length 4661.3
  Bottom Layer w250: K16.5@16053,3974 16314.7,3974 16516,3772.7 16516,3484 16828,3172 19754,3172 K18.7@19935,3353 K18.8@19935,3556
NetK16_11: K16.11 K16.12 K18.9 K18.10 | length 3464.9
  Bottom Layer w250: K16.12@16850,3974 K16.11@17053,3974 17626,3974 17710,3890 19733.7,3890 19935,4091.3 K18.9@19935,4353
NetK16_13: K16.13 K16.14 K21.9 K21.10 | length 4319
  Bottom Layer w250: K16.14@16850,4250 K16.13@17053,4250 17503.55,4250 17650,4396.45 17650,4900 18400,5650 19699.7,5650 19935,5885.3 K21.9@19935,6147
NetQ1_3: Q1.3 Q15.1 | length 2403.5
  Top Layer w10: Q15.1@14750,14350 14750,14400 14900,14550 16682.25,14550 16900,14767.75 Q1.3@16900,14818.9
NetQ2_3: Q2.3 Q15.2 | length 2172.5
  Top Layer w10: Q15.2@14700,14350 14700,14400 14870,14570 16470,14570 16550,14650 Q2.3@16550,14818.9
NetQ3_3: Q3.3 Q15.3 | length 1813.9
  Top Layer w10: Q15.3@14650,14350 14650,14400 14840,14590 16040,14590 16200,14750 Q3.3@16200,14818.9
NetQ4_3: Q4.3 Q15.4 | length 1508
  Top Layer w10: Q15.4@14600,14350 14600,14389.97 14820.03,14610 15710,14610 15850,14750 Q4.3@15850,14818.9
NetQ5_3: Q5.3 Q15.5 | length 1213.9
  Top Layer w10: Q15.5@14550,14350 14550,14400 14780,14630 15380,14630 15500,14750 Q5.3@15500,14818.9
NetQ6_3: Q6.3 Q15.6 | length 913.9
  Top Layer w10: Q15.6@14500,14350 14500,14400 14750,14650 15050,14650 15150,14750 Q6.3@15150,14818.9
NetQ7_3: Q7.3 Q15.7 | length 613.9
  Top Layer w10: Q15.7@14450,14350 14455.5,14355.5 14455.5,14405.5 14800,14750 Q7.3@14800,14818.9
NetQ8_3: Q8.3 Q16.1 | length 1075.6
  Top Layer w10: Q16.1@10775,14357.25 10775,14425 10900,14550 11400,14550 11550,14700 Q8.3@11550,14818.9
NetQ9_3: Q9.3 Q16.2 | length 825.6
  Top Layer w10: Q16.2@10725,14357.25 10725,14425 10900,14600 11150,14600 11250,14700 Q9.3@11250,14818.9
NetQ10_3: Q10.3 Q16.3 | length 575.6
  Top Layer w10: Q16.3@10675,14357.25 10675,14475 10950,14750 Q10.3@10950,14818.9
NetQ11_3: Q11.3 Q16.4 | length 472
  Top Layer w10: Q16.4@10625,14357.25 10625,14575 10650,14600 Q11.3@10650,14818.9
NetQ12_3: Q12.3 Q16.5 | length 575.6
  Top Layer w10: Q12.3@10300,14818.9 10300,14750 10575,14475 Q16.5@10575,14357.25
NetQ13_3: Q13.3 Q16.6 | length 875.6
  Top Layer w10: Q13.3@9950,14818.9 9950,14700 10060.35,14589.65 10360.35,14589.65 10525,14425 Q16.6@10525,14357.25
NetQ14_3: Q14.3 Q16.7 | length 1105.9
  Top Layer w10: Q14.3@9600,14818.9 9603.94,14818.9 9872.83,14550 10350,14550 10475,14425 Q16.7@10475,14357.25
NetQ17_3: Q17.3 Q31.1 | length 1796.3
  Top Layer w10: Q31.1@12725,14357.25 12725,14425 12750,14450 13950,14450 14250,14750 Q17.3@14250,14818.9
NetQ18_3: Q18.3 Q31.2 | length 1496.3
  Top Layer w10: Q31.2@12675,14357.25 12675,14425 12750,14500 13650,14500 13900,14750 Q18.3@13900,14818.9
NetQ19_3: Q19.3 Q31.3 | length 1196.3
  Top Layer w10: Q31.3@12625,14357.25 12625,14425 12750,14550 13350,14550 13550,14750 Q19.3@13550,14818.9
NetQ20_3: Q20.3 Q31.4 | length 896.3
  Top Layer w10: Q31.4@12575,14357.25 12575,14425 12749.95,14599.95 13049.95,14599.95 13200,14750 Q20.3@13200,14818.9
NetQ21_3: Q21.3 Q31.5 | length 596.3
  Top Layer w10: Q31.5@12525,14357.25 12525,14425 12850,14750 Q21.3@12850,14818.9
NetQ22_3: Q22.3 Q31.6 | length 472
  Top Layer w10: Q31.6@12475,14357.25 12475,14525 12500,14550 Q22.3@12500,14818.9
NetQ23_3: Q23.3 Q31.7 | length 577.9
  Top Layer w10: Q23.3@12150,14818.9 12153.94,14818.9 12174.53,14798.31 12174.53,14794.37 12425,14543.9 Q31.7@12425,14357.25
NetQ24_3: Q24.3 Q32.1 | length 2969.1
  Top Layer w10: Q32.1@16875,14357.25 16875,14413.97 16991.03,14530 19380,14530 19550,14700 Q24.3@19550,14818.9
NetQ25_3: Q25.3 Q32.2 | length 2640.1
  Top Layer w10: Q32.2@16825,14357.25 16825,14414.47 16960.53,14550 19000,14550 19200,14750 Q25.3@19200,14818.9
NetQ26_3: Q26.3 Q32.3 | length 2340.1
  Top Layer w10: Q32.3@16775,14357.25 16775,14414.47 16930.53,14570 18670,14570 18850,14750 Q26.3@18850,14818.9
NetQ27_3: Q27.3 Q32.4 | length 2069.4
  Top Layer w10: Q32.4@16725,14357.25 16725,14414.47 16900.53,14590 18390,14590 18500,14700 Q27.3@18500,14818.9
NetQ28_3: Q28.3 Q32.5 | length 1769.4
  Top Layer w10: Q32.5@16675,14357.25 16675,14414.47 16870.53,14610 18060,14610 18150,14700 Q28.3@18150,14818.9
NetQ29_3: Q29.3 Q32.6 | length 1440.1
  Top Layer w10: Q32.6@16625,14357.25 16625,14414.47 16840.53,14630 17680,14630 17800,14750 Q29.3@17800,14818.9
NetQ30_3: Q30.3 Q32.7 | length 1169.4
  Top Layer w10: Q32.7@16575,14357.25 16575,14414.47 16810.53,14650 17400,14650 17450,14700 Q30.3@17450,14818.9
NetR1_2: "Slave #1.3" R1.2 R2.2 | length 321.9
  Top Layer w10: R1.2@10300,15800 R2.2@10400,15800 10401.97,15800 10450,15848.03 10450,16000
NetR3_2: "Slave #1.4" R3.2 R4.2 | length 293.7
  Top Layer w10: R3.2@10500,15800 10501.97,15800 10514.69,15812.72 10514.69,15814.69 10550,15850 ; 10550,16000 10550,15850 ; R4.2@10600,15800 10598.03,15800 10585.31,15812.72 10585.31,15814.69 10550,15850
NetR5_2: "Slave #1.5" R5.2 R6.2 | length 321.9
  Top Layer w10: 10650,16000 10650,15848.03 10698.03,15800 R5.2@10700,15800 R6.2@10800,15800
NetR7_2: "Slave #2.3" R7.2 R8.2 | length 321.9
  Top Layer w10: R7.2@13000,15800 R8.2@13100,15800 13101.97,15800 13150,15848.03 13150,16000
NetR9_2: "Slave #2.4" R9.2 R10.2 | length 292.3
  Top Layer w10: R9.2@13200,15800 13201.97,15800 13246.84,15844.87 13253.16,15844.87 13298.03,15800 R10.2@13300,15800 ; 13250,15844.87 13250,16000
NetR11_2: "Slave #2.5" R11.2 R12.2 | length 321.9
  Top Layer w10: 13350,16000 13350,15850 13385.31,15814.69 13385.31,15812.72 13398.03,15800 R11.2@13400,15800 R12.2@13500,15800
NetR13_2: "Slave #4.3" R13.2 R14.2 | length 321.9
  Top Layer w10: R13.2@18150,15800 R14.2@18250,15800 18251.97,15800 18300,15848.03 18300,16000
NetR15_2: "Slave #4.4" R15.2 R23.2 | length 293.7
  Top Layer w10: R15.2@18350,15800 18351.97,15800 18364.69,15812.72 18364.69,15814.69 18400,15850 ; 18400,16000 18400,15850 ; R23.2@18450,15800 18448.03,15800 18435.31,15812.72 18435.31,15814.69 18400,15850
NetR17_2: "Slave #3.3" R17.2 R18.2 | length 321.9
  Top Layer w10: R17.2@15550,15800 R18.2@15650,15800 15651.97,15800 15700,15848.03 15700,16000
NetR19_2: "Slave #3.4" R19.2 R20.2 | length 293.7
  Top Layer w10: R19.2@15750,15800 15751.97,15800 15764.69,15812.72 15764.69,15814.69 15800,15850 ; 15800,16000 15800,15850 ; R20.2@15850,15800 15848.03,15800 15835.31,15812.72 15835.31,15814.69 15800,15850
NetR21_2: "Slave #3.5" R21.2 R22.2 | length 321.9
  Top Layer w10: 15900,16000 15900,15848.03 15948.03,15800 R21.2@15950,15800 R22.2@16050,15800
NetR24_2: "Slave #4.5" R24.2 R25.2 | length 321.9
  Top Layer w10: 18500,16000 18500,15848.03 18548.03,15800 R24.2@18550,15800 R25.2@18650,15800
"pwr gnd": J6.2 J6.3 Q15.8 Q16.8 Q31.8 Q32.8 R16.1 | length 12256.6
  Top Layer w30: Q16.8@10425,14357.25 10429.5,14352.75 10429.5,14328.14 10539.57,14218.07 12376.41,14218.07 ; Q31.8@12375,14357.25 12375,14219.48 12376.41,14218.07 ; 12377.1,14217.38 12376.41,14218.07 ; 14399.36,14219.97 14400,14220.6 Q15.8@14400,14350 ; Q32.8@16525,14357.25 16525,14219.91 16525.73,14219.18 ; J6.3@20859.84,14724.41 J6.2@21100,14724.41 21100,14579.9 21250,14429.9 R16.1@21250,14118 19032,14118 18931.93,14218.07 16525,14218.07 14400,14218.07 12376.41,14218.07
RST: "Slave #1.6" "Slave #2.6" "Slave #3.6" "Slave #4.6" J7.6 | length 11035.8
  Top Layer w10: 10750,16000 v2(10900,15850) ; 13450,16000 v2(13600,15850) ; 16000,16000 v2(16150,15850) ; 18600,16000 v4(18750,15850)
  Bottom Layer w10: v2(10900,15850) v2(16150,15850) v4(18750,15850) 20886.36,15850 20931.36,15895 20968.64,15895 21005,15858.64 21041.36,15858.64 J7.6@21050,15850
SCL: "Slave #1.1" "Slave #2.1" "Slave #3.1" "Slave #4.1" J7.2 | length 11296
  Bottom Layer w10: 10250,16000 10250,15905.86 10255.86,15900 12950,15900 ; 12950,16000 12950,15900 ; 15500,16000 15500,15900 ; 18100,16000 18100,15900 ; J7.2@21050,16050 21005,16095 20045,16095 19850,15900 18100,15900 ; 12950,15900 15500,15900 ; 15500,15900 18100,15900
SDA: "Slave #1.2" "Slave #2.2" "Slave #3.2" "Slave #4.2" J7.4 | length 11099.1
  Bottom Layer w10: 10350,16000 10400,16050 13050,16050 ; 13050,16000 13050,16050 ; 15600,16000 15600,16050 ; 18200,16000 18200,16050 ; J7.4@21050,15950 21058.64,15958.64 21058.64,15995 21095,16031.36 21095,16068.64 21048.64,16115 19965,16115 19900,16050 18200,16050 ; 13050,16050 15600,16050 ; 15600,16050 18200,16050
pads on no net: "Slave #1.7" "Slave #1.8" "Slave #1.17" "Slave #2.7" "Slave #2.8" "Slave #2.17" "Slave #3.7" "Slave #3.8" "Slave #3.17" "Slave #4.7" "Slave #4.8" "Slave #4.17" J6.4 J6.5 J7.5 J7.7 J7.8 J7.9 J7.10 J7.11 J7.12 J7.13 J7.14 J7.15 J7.16 J8.4 J8.5 Q15.9 Q16.9 Q31.9 Q32.9

## Polygon pours and split planes (outlines as drawn)
+19 on Top Layer "NONET_L01_P002" (solid, shelved, pour order 2): 9250,16450 21500,16450 21500,-750 9250,-750
GND on Top Layer "NONET_L01_P000" (solid, shelved, pour order 0): 9250,16450 21500,16450 21500,14450 9250,14450
+19 on Middle 1 "NONET_L02_P003" (solid, shelved, pour order 3): 9250,16450 21500,16450 21500,-750 9250,-750
GND on Middle 1 "NONET_L02_P001" (solid, shelved, pour order 1): 9250,16450 21500,16450 21500,13850 9250,13850
"pwr gnd" on Bottom Layer "NONET_L04_P004" (solid, shelved, pour order 4): 21500,-750 21500,16450 9250,16450 9250,-750
GND on Middle 2 "NONET_L03_P005" (solid, shelved, pour order 5): 9250,16450 21500,16450 21500,-750 9250,-750

## Silkscreen, mask and mechanical layers (free items; w line width, h text height)
Bottom Overlay:
  text "Automation Relay PCB / Revision 1 / Date: Todays date" at 18350,14000 h60
Mechanical 1:
  the board outline again, w10

## Text inside footprints (layer, text, board x,y; h text height)
K5: Top Overlay "*" at 12337.5,12760 h50; Mechanical 13 "*" at 12337.5,12403 h50
K6: Top Overlay "*" at 12337.5,9260 h50; Mechanical 13 "*" at 12337.5,8903 h50
K7: Top Overlay "*" at 12337.5,5710 h50; Mechanical 13 "*" at 12337.5,5353 h50
K8: Top Overlay "*" at 12337.5,2010 h50; Mechanical 13 "*" at 12337.5,1653 h50
K9: Top Overlay "*" at 14187.5,9260 h50; Mechanical 13 "*" at 14187.5,8903 h50
K10: Top Overlay "*" at 14184.5,1991.5 h50; Mechanical 13 "*" at 14184.5,1634.5 h50
K11: Top Overlay "*" at 14190.5,12741.5 h50; Mechanical 13 "*" at 14190.5,12384.5 h50
K12: Top Overlay "*" at 14190.5,5691.5 h50; Mechanical 13 "*" at 14190.5,5334.5 h50
K13: Top Overlay "*" at 16034.5,12741.5 h50; Mechanical 13 "*" at 16034.5,12384.5 h50
K14: Top Overlay "*" at 16034.5,9241.5 h50; Mechanical 13 "*" at 16034.5,8884.5 h50
K15: Top Overlay "*" at 16040.5,1991.5 h50; Mechanical 13 "*" at 16040.5,1634.5 h50
K16: Top Overlay "*" at 16040.5,5691.5 h50; Mechanical 13 "*" at 16040.5,5334.5 h50
K17: Top Overlay "*" at 17908.5,6890.5 h50 r90; Mechanical 13 "*" at 18265.5,6890.5 h50 r90
K18: Top Overlay "*" at 17908.5,3340.5 h50 r90; Mechanical 13 "*" at 18265.5,3340.5 h50 r90
K19: Top Overlay "*" at 17908.5,10384.5 h50 r90; Mechanical 13 "*" at 18265.5,10384.5 h50 r90
K20: Top Overlay "*" at 17908.5,-265.5 h50 r90; Mechanical 13 "*" at 18265.5,-265.5 h50 r90
K21: Top Overlay "*" at 17908.5,5134.5 h50 r90; Mechanical 13 "*" at 18265.5,5134.5 h50 r90
K22: Top Overlay "*" at 17908.5,12134.5 h50 r90; Mechanical 13 "*" at 18265.5,12134.5 h50 r90
K23: Top Overlay "*" at 17908.5,8637.5 h50 r90; Mechanical 13 "*" at 18265.5,8637.5 h50 r90
K24: Top Overlay "*" at 17890,1537.5 h50 r90; Mechanical 13 "*" at 18247,1537.5 h50 r90
Q15: Top Overlay "*" at 14800,14350 h50 r270; Mechanical 13 "*" at 14718.5,14318.75 h50 r270
Q16: Top Overlay "*" at 10791,14379.75 h50 r270; Mechanical 13 "*" at 10743.5,14326 h50 r270
Q31: Top Overlay "*" at 12800,14350 h50 r270; Mechanical 13 "*" at 12693.5,14326 h50 r270
Q32: Top Overlay "*" at 16900,14350 h50 r270; Mechanical 13 "*" at 16843.5,14326 h50 r270
"Slave #1": Top Overlay "*" at 10200,15950 h50 r90; Mechanical 13 "*" at 10275,16007.5 h50 r90
"Slave #2": Top Overlay "*" at 12900,15950 h50 r90; Mechanical 13 "*" at 12975,16007.5 h50 r90
"Slave #3": Top Overlay "*" at 15450,15950 h50 r90; Mechanical 13 "*" at 15525,16007.5 h50 r90
"Slave #4": Top Overlay "*" at 18050,15950 h50 r90; Mechanical 13 "*" at 18125,16007.5 h50 r90